# KiCad board SmallDSPMicro.kicad_pcb (continued)
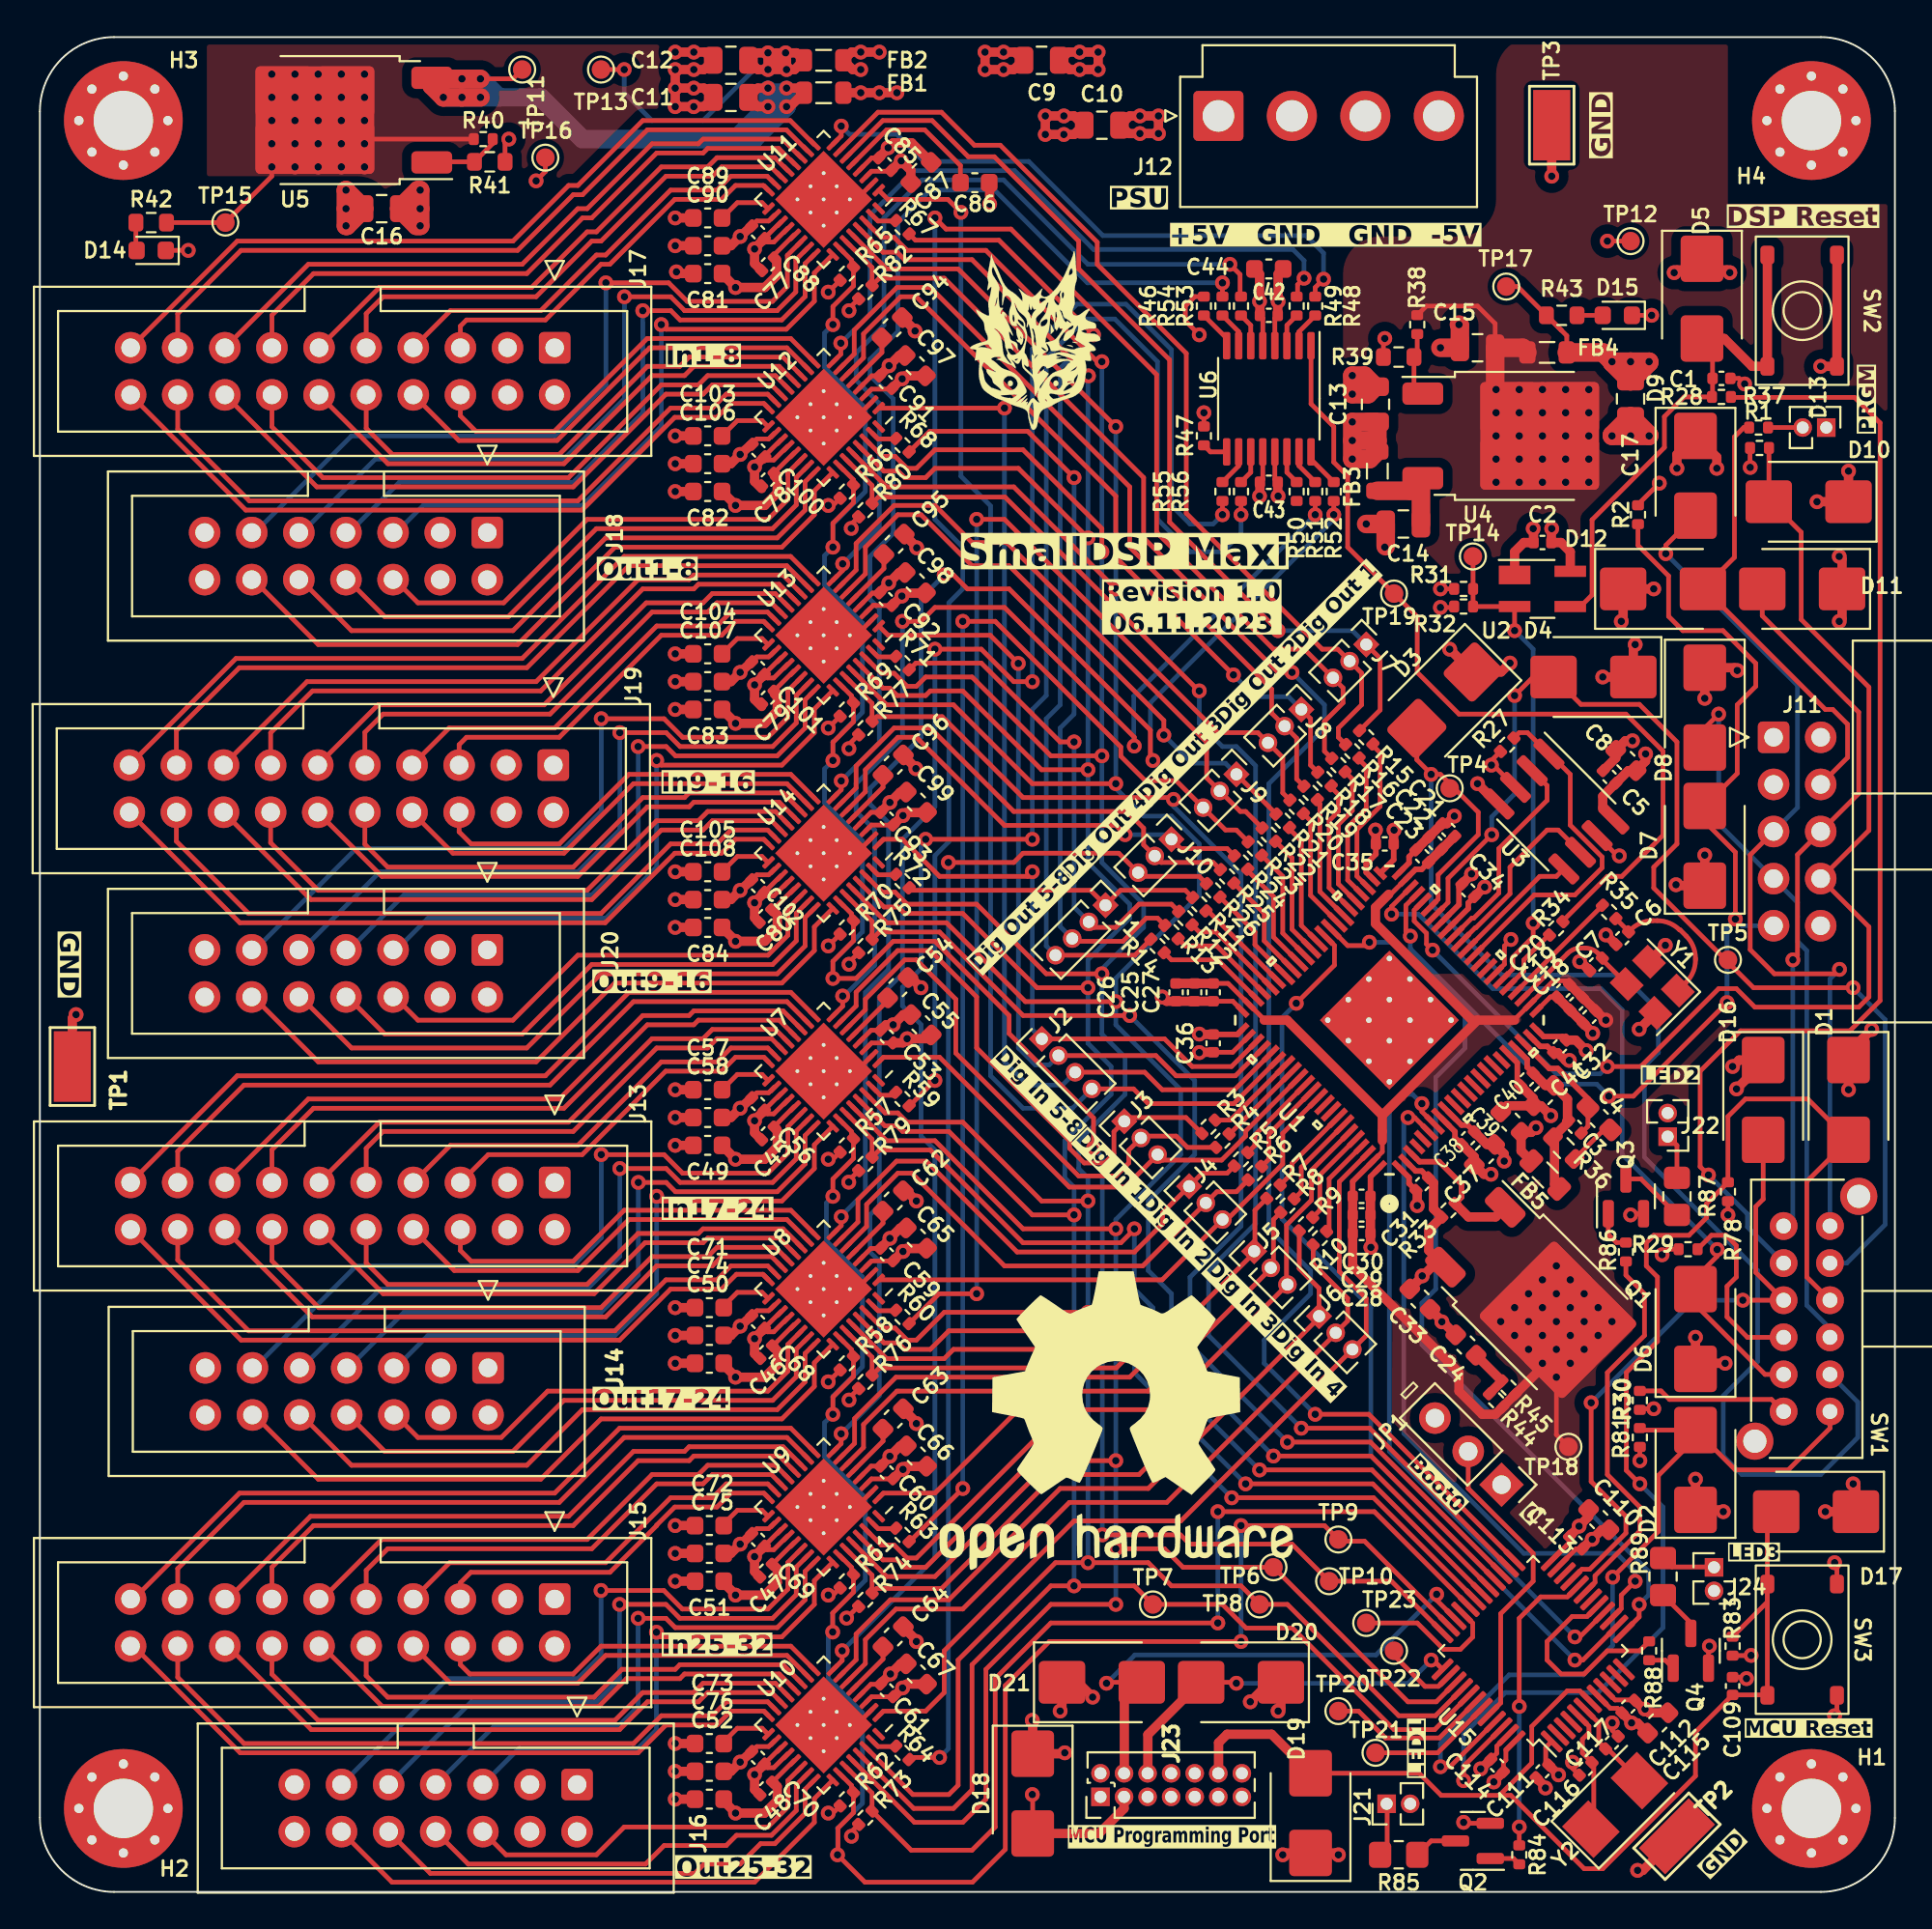
[diagram p0: board, top side]
## Library data of the parts
C1 C2 C5 C19 C22 C26 C29 C31 C32 C34-C36 C38 C40 C42 C43 C45-C48 C53 C56 C59-C61 C68-C70 C77-C80 C85 C88 C91-C93 C100-C102 C109 C111-C114 = -: Description: Unpolarized capacitor, small symbol; Assembling: X; Dielectric: X7R; LCSC Part #: C307331; Manufacturer: Samsung Electro-Mechanics; Notes: -25%@10VDC; Part Number: CL05B104KB54PNC; Rated Voltage: 50V; Tolerance: 10%
C3 = -: Description: Unpolarized capacitor, small symbol; Assembling: X; Dielectric: X7R; LCSC Part #: C1527; Manufacturer: FH (Guangdong Fenghua Advanced Tech); Part Number: 0402B151K500NT; Rated Voltage: 50V; Tolerance: 10%
C4 = -: Description: Unpolarized capacitor, small symbol; Dielectric: C0G; LCSC Part #: -; Manufacturer: Murata Electronics; Notes: Also available in 0402; Part Number: GRM1885C1H562JA01D; Rated Voltage: 50V; Tolerance: 5%
C6 C7 = -: Description: Unpolarized capacitor, small symbol; Assembling: X; Dielectric: C0G; LCSC Part #: C1557; Manufacturer: FH (Guangdong Fenghua Advanced Tech); Part Number: 0402CG270J500NT; Rated Voltage: 50V; Tolerance: 5%
C8 C24 C33 C37 C39 C41 C44 C49-C52 C55 C58 C65-C67 C74-C76 C81-C84 C87 C90 C97-C99 C106-C108 C110 C115 = -: Description: Unpolarized capacitor, small symbol; Assembling: X; Dielectric: X5R; LCSC Part #: C96446; Manufacturer: Samsung Electro-Mechanics; Notes: -50%@5VDC; Part Number: CL10A106MA8NRNC; Rated Voltage: 25V; Tolerance: 10%
C9-C17 = -: Description: Unpolarized capacitor, small symbol; Assembling: X; Dielectric: X7R; LCSC Part #: C28323; Manufacturer: Samsung Electro-Mechanics; Part Number: CL21B105KBFNNNE; Rated Voltage: 50V; Tolerance: 10%
C18 C21 C25 C28 = -: Description: Unpolarized capacitor, small symbol; Assembling: X; Dielectric: X5R; LCSC Part #: C52923; Manufacturer: Samsung Electro-Mechanics; Part Number: CL05A105KA5NQNC; Rated Voltage: 25V; Tolerance: 10%
C20 C23 C27 C30 = -: Description: Unpolarized capacitor, small symbol; Assembling: X; Dielectric: X7R; LCSC Part #: C15195; Manufacturer: Samsung Electro-Mechanics; Part Number: CL05B103KB5NNNC; Rated Voltage: 50V; Tolerance: 10%
C54 C57 C62-C64 C71-C73 C86 C89 C94-C96 C103-C105 = -: Description: Unpolarized capacitor, small symbol; Assembling: X; Dielectric: X5R; LCSC Part #: C19666; Manufacturer: Samsung Electro-Mechanics; Notes: -50%@3.3V and 0Vrms; Part Number: CL10A475KO8NNNC; Rated Voltage: 50V; Tolerance: 10%
C116 C117 = -: Description: Unpolarized capacitor, small symbol; Assembling: X; Dielectric: C0G; LCSC Part #: C1562; Manufacturer: FH (Guangdong Fenghua Advanced Tech); Part Number: 0402CG330J500NT; Rated Voltage: 50V; Tolerance: 5%
D1-D12 D16-D21 = -: Description: Bidirectional transient-voltage-suppression diode; Assembling: X; LCSC Part #: C78395; Manufacturer: Brightking; Part Number: P6SMB6.8CA/TR13
D13 = -: Description: Light emitting diode; Assembling: X; LCSC Part #: -; Manufacturer: -; Part Number: -
D14 D15 = -: Description: Light emitting diode; Assembling: X; LCSC Part #: C72041; Manufacturer: Everlight Elec; Part Number: 19-217/BHC-ZL1M2RY/3T
FB1-FB5 = -: Description: Ferrite bead, small symbol; LCSC Part #: -; Manufacturer: Würth Elektronik; Part Number: 78279220601; Rated Current: 2A
H1-H4 = -: Description: Mounting Hole with connection; LCSC Part #: -; Manufacturer: -; Part Number: -
J1 J2 = -: Description: Generic connector, single row, 01x04, script generated; LCSC Part #: -; Manufacturer: -; Part Number: -
J3-J10 = -: Description: Generic connector, single row, 01x03, script generated; LCSC Part #: -; Manufacturer: -; Part Number: -
J11 = -: Description: Generic connector, double row, 02x05, odd/even pin numbering scheme (row 1 odd numbers, row 2 even numbers), script generated (kicad-library-utils/schlib/autogen/connector/); LCSC Part #: -; Manufacturer: Würth Electronik; Part Number: 61201021721
J12 = -: Description: Generic connector, single row, 01x04, script generated (kicad-library-utils/schlib/autogen/connector/); LCSC Part #: -; Manufacturer: JST
J13 J15 J17 J19 = -: Description: Generic connector, double row, 02x10, odd/even pin numbering scheme (row 1 odd numbers, row 2 even numbers), script generated (kicad-library-utils/schlib/autogen/connector/); LCSC Part #: -; Manufacturer: Amphenol; Part Number: T821120A1S100CEU
J14 J16 J18 J20 = -: Description: Generic connector, double row, 02x07, odd/even pin numbering scheme (row 1 odd numbers, row 2 even numbers), script generated (kicad-library-utils/schlib/autogen/connector/); LCSC Part #: -; Manufacturer: Amphenol; Part Number: 75869-302LF
J21 J22 J24 = -: Description: Generic connector, single row, 01x02, script generated; LCSC Part #: -; Manufacturer: -; Part Number: -
J23 = -: Description: Generic connector, double row, 02x07, odd/even pin numbering scheme (row 1 odd numbers, row 2 even numbers), script generated (kicad-library-utils/schlib/autogen/connector/); LCSC Part #: -; Manufacturer: Amphenol FCI; Part Number: 20021111-00014T1LF
JP1 = -: Description: Jumper, 3-pole, pins 1+2 closed/bridged; LCSC Part #: -; Manufacturer: -; Part Number: -
Q1 = -: Description: PNP transistor, base/collector/emitter; LCSC Part #: -; Manufacturer: onsemi
Q2-Q4 = -: Description: N-MOSFET transistor, gate/source/drain; Assembling: X; LCSC Part #: C8545; Manufacturer: Jiangsu Changjing Electronics Technology Co., Ltd.
R1 R31 R57 R58 R61 R62 R65 R66 R69 R70 R84 R86 R88 = -: Description: Resistor, small symbol; Assembling: X; LCSC Part #: C25741; Manufacturer: UNI-ROYAL(Uniroyal Elec); Part Number: 0402WGF1003TCE; Rated Power: 62.5mW; Tolerance: 1%
R2 R27 R32 R73-R77 R79 R80 R82 R83 = -: Description: Resistor, small symbol; Assembling: X; LCSC Part #: C25744; Manufacturer: UNI-ROYAL(Uniroyal Elec); Part Number: 0402WGF1002TCE; Rated Power: 62.5mW; Tolerance: 1%
R3-R26 R34 R48-R56 R59 R60 R63 R64 R67 R68 R71 R72 = -: Description: Resistor, small symbol; Assembling: X; LCSC Part #: C25105; Manufacturer: UNI-ROYAL(Uniroyal Elec); Part Number: 0402WGF330JTCE; Rated Power: 62.5mW; Tolerance: 1%
R28-R30 R33 R37 R46 R47 = -: Description: Resistor, small symbol; Assembling: X; LCSC Part #: C11702; Manufacturer: UNI-ROYAL(Uniroyal Elec); Part Number: 0402WGF1001TCE; Rated Power: 62.5mW; Tolerance: 1%
R35 = -: Description: Resistor, small symbol; Assembling: X; LCSC Part #: C25076; Manufacturer: UNI-ROYAL(Uniroyal Elec); Part Number: 0402WGF1000TCE; Rated Power: 62.5mW; Tolerance: 1%
R36 = -: Description: Resistor, small symbol; Assembling: X; LCSC Part #: C23159; Manufacturer: UNI-ROYAL(Uniroyal Elec); Part Number: 0603WAF4301T5E; Rated Power: 100mW; Tolerance: 1%
R38 R40 = -: Description: Resistor, small symbol; Assembling: X; LCSC Part #: C25862; Manufacturer: UNI-ROYAL(Uniroyal Elec); Part Number: 0402WGF1201TCE; Rated Power: 62.5mW; Tolerance: 1%
R39 R41 = -: Description: Resistor, small symbol; Assembling: X; LCSC Part #: C22975; Manufacturer: UNI-ROYAL(Uniroyal Elec); Part Number: 0603WAF2001T5E; Rated Power: 100mW; Tolerance: 1%
R42 R43 = -: Description: Resistor, small symbol; Assembling: X; LCSC Part #: C23255; Manufacturer: UNI-ROYAL(Uniroyal Elec); Part Number: 0603WAF820JT5E; Rated Power: 100mW; Tolerance: 1%
R44 R45 = -: Description: Resistor, small symbol; Assembling: X; LCSC Part #: C25086; Manufacturer: UNI-ROYAL(Uniroyal Elec); Part Number: 0402WGF100KTCE; Rated Power: 62.5mW; Tolerance: 1%
R78 R81 = -: Description: Resistor, small symbol; Assembling: X; LCSC Part #: C25879; Manufacturer: UNI-ROYAL(Uniroyal Elec); Part Number: 0402WGF2201TCE; Rated Power: 62.5mW; Tolerance: 1%
R85 R87 R89 = -: Description: Resistor, small symbol; LCSC Part #: -; Manufacturer: -; Part Number: -
SW1 = -: Description: Switch, 4 pole double throw, separate symbols; LCSC Part #: -; Manufacturer: E-Switch; Part Number: EG4208A
SW2 SW3 = -: Description: Push button switch, generic, two pins; Assembling: X; LCSC Part #: C318884; Manufacturer: XKB Connectivity
TP1-TP3 = -: Description: test point; LCSC Part #: -; Manufacturer: Keystone; Part Number: 5019
TP4-TP23 = -: Description: test point; LCSC Part #: -; Manufacturer: -; Part Number: -
U1 = -: Description: Analog Devices Sigma DSP; LCSC Part #: -; Manufacturer: Analog Devices; Part Number: ADAU1467WBCPZ300; Field13: 0.213in/5.4mm
U2 = -: Description: Voltage Supervisor; LCSC Part #: -; Manufacturer: Analog Devices; Part Number: ADM811TARTZ-REEL
U3 = -: Description: 1Mbit SPI EEPROM; LCSC Part #: -; Manufacturer: STMicroelectronics; Part Number: M95M01-RMN6TP
U4 U5 = -: Description: 1.5A 35V Adjustable Linear Regulator, TO-252; Assembling: X; LCSC Part #: C75510; Manufacturer: UTC(Unisonic Tech); Part Number: LM317AG-TN3-R
U7-U14 = -: Description: AKM Audio Codec; LCSC Part #: -; Manufacturer: AKM(Asahi Kasei Microdevices); Part Number: AK4619VN
U15 = -: Description: STMicroelectronics Arm Cortex-M0 MCU, 64KB flash, 8KB RAM, 48 MHz, 2.4-3.6V, 39 GPIO, LQFP48; Assembling: X; LCSC Part #: C23922; Manufacturer: ST Microelectronics; Part Number: STM32F030C8T6
Y1 = -: Description: Four pin crystal, GND on pins 2 and 4, small symbol; LCSC Part #: -; Manufacturer: Würth Elektronik
Y2 = -: Description: Two pin crystal, small symbol; Assembling: X; LCSC Part #: C115962; Manufacturer: YXC; Part Number: X50328MSB2GI

## Footprints (pads in the part's own frame, mm; a bottom-side part is the same pattern mirrored in y, then rotated)
ADAU1463
  custom 1.424x1.424 smd: (-1.567,1.567) (-1.567,0) (-1.567,-1.567) (0,1.567) (0,0) (0,-1.567) (1.567,1.567) (1.567,0) (1.567,-1.567)
  rect 0.805x0.3 smd: 1(-5.952,5.25) 2(-5.952,4.75) 21(-5.952,-4.75) 22(-5.952,-5.25) 45(5.952,-5.25) 46(5.952,-4.75) 65(5.952,4.75) 66(5.952,5.25)
  rect 0.955x0.3 smd: 3(-5.877,4.25) 4(-5.877,3.75) 19(-5.877,-3.75) 20(-5.877,-4.25) 47(5.877,-4.25) 48(5.877,-3.75) 63(5.877,3.75) 64(5.877,4.25)
  rect 1.105x0.3 smd: 5(-5.802,3.25) 6(-5.802,2.75) 17(-5.802,-2.75) 18(-5.802,-3.25) 49(5.802,-3.25) 50(5.802,-2.75) 61(5.802,2.75) 62(5.802,3.25)
  rect 1.305x0.3 smd: 7(-5.702,2.25) 8(-5.702,1.75) 9(-5.702,1.25) 10(-5.702,0.75) 11(-5.702,0.25) 12(-5.702,-0.25) 13(-5.702,-0.75) 14(-5.702,-1.25) 15(-5.702,-1.75) 16(-5.702,-2.25) 51(5.702,-2.25) 52(5.702,-1.75) 53(5.702,-1.25) 54(5.702,-0.75) 55(5.702,-0.25) 56(5.702,0.25) 57(5.702,0.75) 58(5.702,1.25) 59(5.702,1.75) 60(5.702,2.25)
  rect 0.3x0.805 smd: 23(-5.25,-5.952) 24(-4.75,-5.952) 43(4.75,-5.952) 44(5.25,-5.952) 67(5.25,5.952) 68(4.75,5.952) 87(-4.75,5.952) 88(-5.25,5.952)
  rect 0.3x0.955 smd: 25(-4.25,-5.877) 26(-3.75,-5.877) 41(3.75,-5.877) 42(4.25,-5.877) 69(4.25,5.877) 70(3.75,5.877) 85(-3.75,5.877) 86(-4.25,5.877)
  rect 0.3x1.105 smd: 27(-3.25,-5.802) 28(-2.75,-5.802) 39(2.75,-5.802) 40(3.25,-5.802) 71(3.25,5.802) 72(2.75,5.802) 83(-2.75,5.802) 84(-3.25,5.802)
  rect 0.3x1.305 smd: 29(-2.25,-5.702) 30(-1.75,-5.702) 31(-1.25,-5.702) 32(-0.75,-5.702) 33(-0.25,-5.702) 34(0.25,-5.702) 35(0.75,-5.702) 36(1.25,-5.702) 37(1.75,-5.702) 38(2.25,-5.702) 73(2.25,5.702) 74(1.75,5.702) 75(1.25,5.702) 76(0.75,5.702) 77(0.25,5.702) 78(-0.25,5.702) 79(-0.75,5.702) 80(-1.25,5.702) 81(-1.75,5.702) 82(-2.25,5.702)
  round 0.6 hole 0.3: EP(-2.35,2.35) EP(-2.35,0.783) EP(-2.35,-0.783) EP(-2.35,-2.35) EP(-0.783,2.35) EP(-0.783,0.783) EP(-0.783,-0.783) EP(-0.783,-2.35) EP(0.783,2.35) EP(0.783,0.783) EP(0.783,-0.783) EP(0.783,-2.35) EP(2.35,2.35) EP(2.35,0.783) EP(2.35,-0.783) EP(2.35,-2.35)
  rect 5.3x5.3 smd: EP(0,0)
C_0402_1005Metric
  rrect 0.56x0.62 smd: 1(-0.48,0) 2(0.48,0)
C_0603_1608Metric
  rrect 0.9x0.95 smd: 1(-0.775,0) 2(0.775,0)
C_0603_1608Metric_Pad1.08x0.95mm_HandSolder
  rrect 1.075x0.95 smd: 1(-0.863,0) 2(0.863,0)
C_0805_2012Metric
  rrect 1x1.45 smd: 1(-0.95,0) 2(0.95,0)
Crystal_SMD_3225-4Pin_3.2x2.5mm
  rect 1.4x1.2 smd: 1(-1.1,-0.85) 2(1.1,-0.85) 3(1.1,0.85) 4(-1.1,0.85)
Crystal_SMD_5032-2Pin_5.0x3.2mm
  rect 2x2.4 smd: 1(-1.85,0) 2(1.85,0)
D_SMB
  rrect 2.5x2.3 smd: 1(-2.15,0) 2(2.15,0)
D_SMB#2
  rrect 2.5x2.3 smd: 1(-2.15,0) 2(2.15,0)
EG4208
  round 1.5 hole 0.8: 1(-5,1.25) 2(-3,1.25) 3(-1,1.25) 4(1,1.25) 5(3,1.25) 6(5,1.25) 7(-5,-1.25) 8(-3,-1.25) 9(-1,-1.25) 10(1,-1.25) 11(3,-1.25) 12(5,-1.25)
  round 2 hole 1.25: G(-6.6,2.8) G(6.6,-2.8)
IDC-Header_2x05_P2.54mm_Horizontal
  rrect 1.7x1.7 hole 1: 1(0,0)
  round 1.7 hole 1: 2(2.54,0) 3(0,-2.54) 4(2.54,-2.54) 5(0,-5.08) 6(2.54,-5.08) 7(0,-7.62) 8(2.54,-7.62) 9(0,-10.16) 10(2.54,-10.16)
IDC-Header_2x07_P2.54mm_Vertical
  rrect 1.7x1.7 hole 1: 1(0,0)
  round 1.7 hole 1: 2(2.54,0) 3(0,-2.54) 4(2.54,-2.54) 5(0,-5.08) 6(2.54,-5.08) 7(0,-7.62) 8(2.54,-7.62) 9(0,-10.16) 10(2.54,-10.16) 11(0,-12.7) 12(2.54,-12.7) 13(0,-15.24) 14(2.54,-15.24)
IDC-Header_2x10_P2.54mm_Vertical
  rrect 1.7x1.7 hole 1: 1(0,0)
  round 1.7 hole 1: 2(2.54,0) 3(0,-2.54) 4(2.54,-2.54) 5(0,-5.08) 6(2.54,-5.08) 7(0,-7.62) 8(2.54,-7.62) 9(0,-10.16) 10(2.54,-10.16) 11(0,-12.7) 12(2.54,-12.7) 13(0,-15.24) 14(2.54,-15.24) 15(0,-17.78) 16(2.54,-17.78) 17(0,-20.32) 18(2.54,-20.32) 19(0,-22.86) 20(2.54,-22.86)
JST_VH_B4P-VH_1x04_P3.96mm_Vertical
  rrect 2.7x2.7 hole 1.7: 1(0,0)
  round 2.7 hole 1.7: 2(3.96,0) 3(7.92,0) 4(11.88,0)
L_0805_2012Metric
  rrect 0.875x1.2 smd: 1(-1.062,0) 2(1.062,0)
LED_0603_1608Metric
  rrect 0.875x0.95 smd: 1(-0.787,0) 2(0.787,0)
LQFP-48_7x7mm_P0.5mm
  rrect 1.475x0.3 smd: 1(-4.162,2.75) 2(-4.162,2.25) 3(-4.162,1.75) 4(-4.162,1.25) 5(-4.162,0.75) 6(-4.162,0.25) 7(-4.162,-0.25) 8(-4.162,-0.75) 9(-4.162,-1.25) 10(-4.162,-1.75) 11(-4.162,-2.25) 12(-4.162,-2.75) 25(4.162,-2.75) 26(4.162,-2.25) 27(4.162,-1.75) 28(4.162,-1.25) 29(4.162,-0.75) 30(4.162,-0.25) 31(4.162,0.25) 32(4.162,0.75) 33(4.162,1.25) 34(4.162,1.75) 35(4.162,2.25) 36(4.162,2.75)
  rrect 0.3x1.475 smd: 13(-2.75,-4.162) 14(-2.25,-4.162) 15(-1.75,-4.162) 16(-1.25,-4.162) 17(-0.75,-4.162) 18(-0.25,-4.162) 19(0.25,-4.162) 20(0.75,-4.162) 21(1.25,-4.162) 22(1.75,-4.162) 23(2.25,-4.162) 24(2.75,-4.162) 37(2.75,4.162) 38(2.25,4.162) 39(1.75,4.162) 40(1.25,4.162) 41(0.75,4.162) 42(0.25,4.162) 43(-0.25,4.162) 44(-0.75,4.162) 45(-1.25,4.162) 46(-1.75,4.162) 47(-2.25,4.162) 48(-2.75,4.162)
MountingHole_3.2mm_M3_Pad_Via
  round 0.8 hole 0.5: 1(-2.4,0) 1(-1.697,1.697) 1(-1.697,-1.697) 1(0,2.4) 1(0,-2.4) 1(1.697,1.697) 1(1.697,-1.697) 1(2.4,0)
  round 6.4 hole 3.2: 1(0,0)
PinHeader_1x02_P1.27mm_Vertical
  rect 1x1 hole 0.65: 1(0,0)
  oval 1x1 hole 0.65: 2(0,-1.27)
PinHeader_1x03_P1.27mm_Vertical
  rect 1x1 hole 0.65: 1(0,0)
  oval 1x1 hole 0.65: 2(0,-1.27) 3(0,-2.54)
PinHeader_1x03_P2.54mm_Vertical
  rect 1.7x1.7 hole 1: 1(0,0)
  oval 1.7x1.7 hole 1: 2(0,-2.54) 3(0,-5.08)
PinHeader_1x04_P1.27mm_Vertical
  rect 1x1 hole 0.65: 1(0,0)
  oval 1x1 hole 0.65: 2(0,-1.27) 3(0,-2.54) 4(0,-3.81)
PinHeader_2x07_P1.27mm_Vertical
  rect 1x1 hole 0.65: 1(0,0)
  oval 1x1 hole 0.65: 2(1.27,0) 3(0,-1.27) 4(1.27,-1.27) 5(0,-2.54) 6(1.27,-2.54) 7(0,-3.81) 8(1.27,-3.81) 9(0,-5.08) 10(1.27,-5.08) 11(0,-6.35) 12(1.27,-6.35) 13(0,-7.62) 14(1.27,-7.62)
QFN-32-1EP_5x5mm_P0.5mm_EP3.7x3.7mm_ThermalVias
  custom 0.685x0.685 smd: (-1.425,1.425) (-1.425,-1.425) (1.425,1.425) (1.425,-1.425)
  custom 0.685x0.806 smd: (-1.425,0.5) (-1.425,-0.5) (1.425,0.5) (1.425,-0.5)
  custom 0.806x0.685 smd: (-0.5,1.425) (-0.5,-1.425) (0.5,1.425) (0.5,-1.425)
  rrect 0.806x0.806 smd: (-0.5,0.5) (-0.5,-0.5) (0.5,0.5) (0.5,-0.5)
  rrect 0.8x0.25 smd: 1(-2.45,1.75) 2(-2.45,1.25) 3(-2.45,0.75) 4(-2.45,0.25) 5(-2.45,-0.25) 6(-2.45,-0.75) 7(-2.45,-1.25) 8(-2.45,-1.75) 17(2.45,-1.75) 18(2.45,-1.25) 19(2.45,-0.75) 20(2.45,-0.25) 21(2.45,0.25) 22(2.45,0.75) 23(2.45,1.25) 24(2.45,1.75)
  rrect 0.25x0.8 smd: 9(-1.75,-2.45) 10(-1.25,-2.45) 11(-0.75,-2.45) 12(-0.25,-2.45) 13(0.25,-2.45) 14(0.75,-2.45) 15(1.25,-2.45) 16(1.75,-2.45) 25(1.75,2.45) 26(1.25,2.45) 27(0.75,2.45) 28(0.25,2.45) 29(-0.25,2.45) 30(-0.75,2.45) 31(-1.25,2.45) 32(-1.75,2.45)
  round 0.5 hole 0.2: 33(-1,1) 33(-1,0) 33(-1,-1) 33(0,1) 33(0,0) 33(0,-1) 33(1,1) 33(1,0) 33(1,-1)
  rect 2.5x2.5 smd far side: 33(0,0)
  rect 3.7x3.7 smd: 33(0,0)
R_0402_1005Metric
  rrect 0.54x0.64 smd: 1(-0.51,0) 2(0.51,0)
R_0603_1608Metric
  rrect 0.8x0.95 smd: 1(-0.825,0) 2(0.825,0)
R_0805_2012Metric_Pad1.20x1.40mm_HandSolder
  rrect 1.2x1.4 smd: 1(-1,0) 2(1,0)
SOIC-8_3.9x4.9mm_P1.27mm
  rrect 1.95x0.6 smd: 1(-2.475,1.905) 2(-2.475,0.635) 3(-2.475,-0.635) 4(-2.475,-1.905) 5(2.475,-1.905) 6(2.475,-0.635) 7(2.475,0.635) 8(2.475,1.905)
SOT-23
  rrect 1.475x0.6 smd: 1(-0.938,0.95) 2(-0.938,-0.95) 3(0.938,0)
SOT-143_Handsoldering
  rect 1.7x1 smd: 1(-1.5,0.75)
  rect 1.7x0.6 smd: 2(-1.5,-0.95) 3(1.5,-0.95) 4(1.5,0.95)
TestPoint_Keystone_5019_Minature
  rect 3.8x2 smd: 1(0,0)
TestPoint_Pad_D1.0mm
  round 1 smd: 1(0,0)
TO-252-2
  rrect 2.2x1.2 smd: 1(-5.04,2.28) 3(-5.04,-2.28)
  rrect 3.05x2.75 smd: 2(-0.415,1.525) 2(-0.415,-1.525) 2(2.935,1.525) 2(2.935,-1.525)
  rrect 6.4x5.8 smd: 2(1.26,0)
TS-1187A-B-A-B
  rrect 1x0.75 smd: 1(-3,1.875) 1(3,1.875) 2(-3,-1.875) 2(3,-1.875)
TSSOP-16_4.4x5mm_P0.65mm
  rrect 1.475x0.4 smd: 1(-2.862,2.275) 2(-2.862,1.625) 3(-2.862,0.975) 4(-2.862,0.325) 5(-2.862,-0.325) 6(-2.862,-0.975) 7(-2.862,-1.625) 8(-2.862,-2.275) 9(2.862,-2.275) 10(2.862,-1.625) 11(2.862,-0.975) 12(2.862,-0.325) 13(2.862,0.325) 14(2.862,0.975) 15(2.862,1.625) 16(2.862,2.275)
